# Altium PCB AtomlzerPcb.PcbDoc
Units mil, origin at the board's own origin, x right, y up, seen from the top; angles counter-clockwise.
Board outline 5085 x 2485 mil, 4 copper layers (Top Layer, GND, VCC, Bottom Layer), stack 30.634 mil thick; 101 components, 74 nets, 359 pads, 176 vias.
Unrouted connection lines stored in the file: 113.
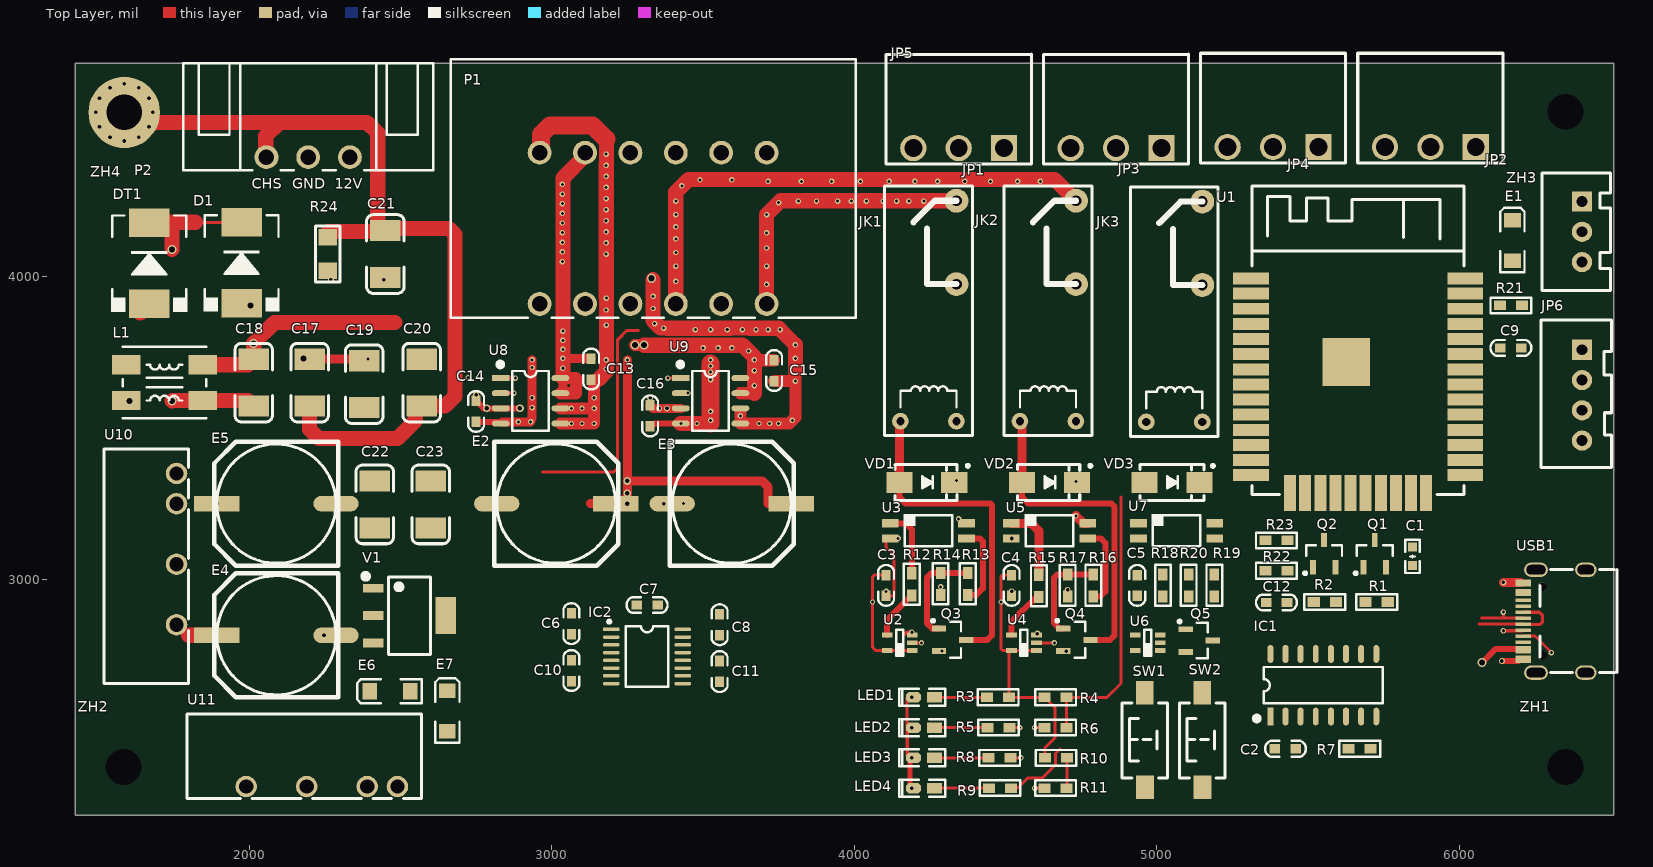
[diagram p0: Top Layer view]
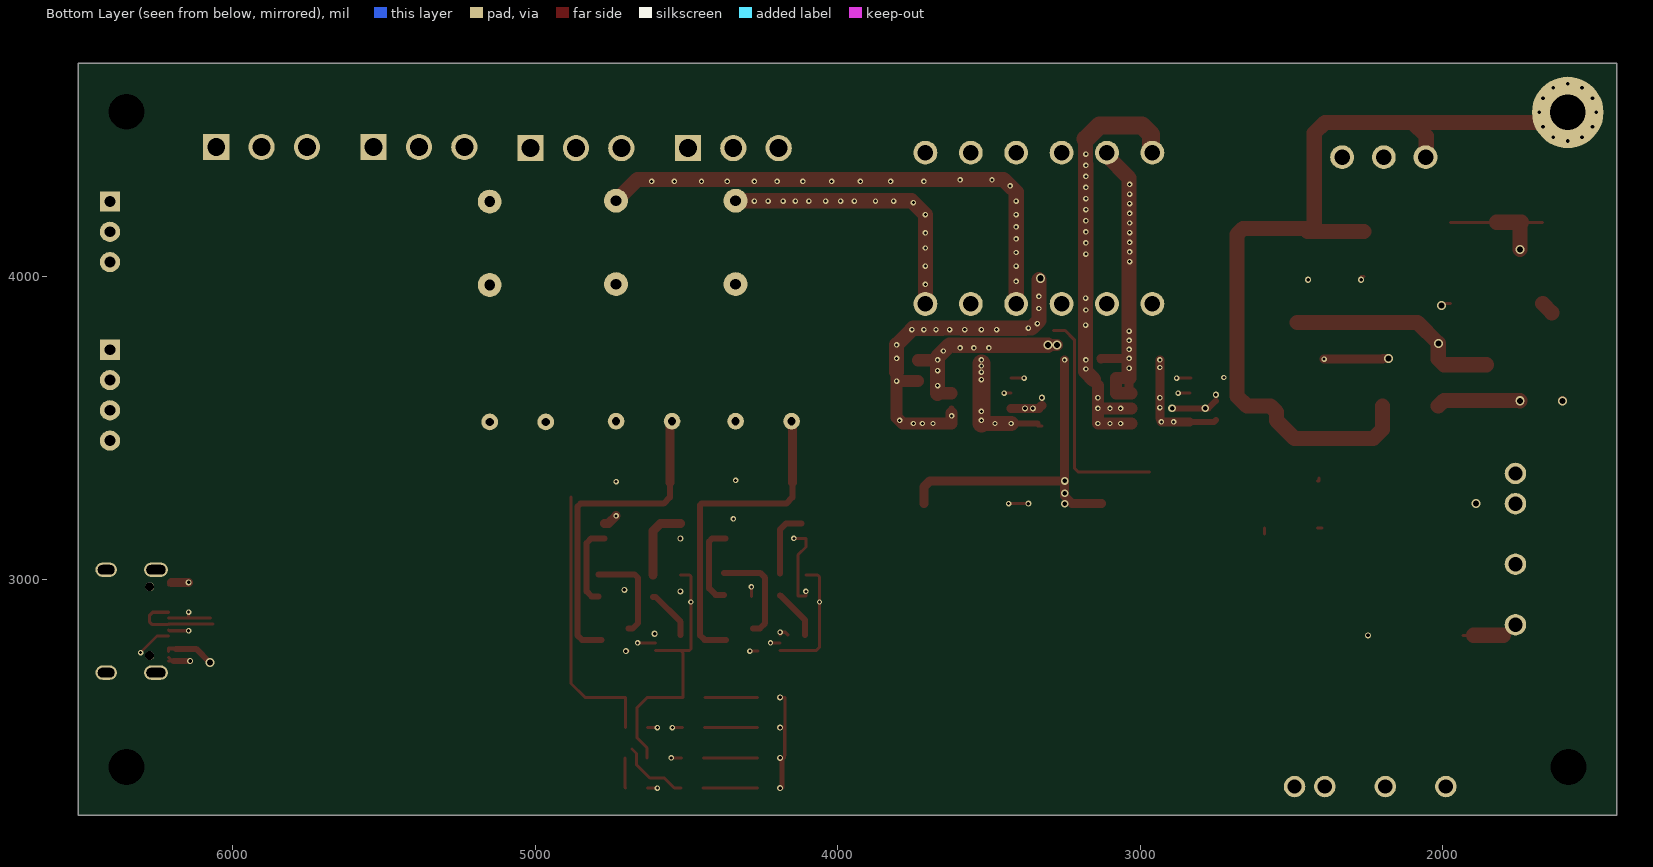
[diagram p1: Bottom Layer view, seen from below]
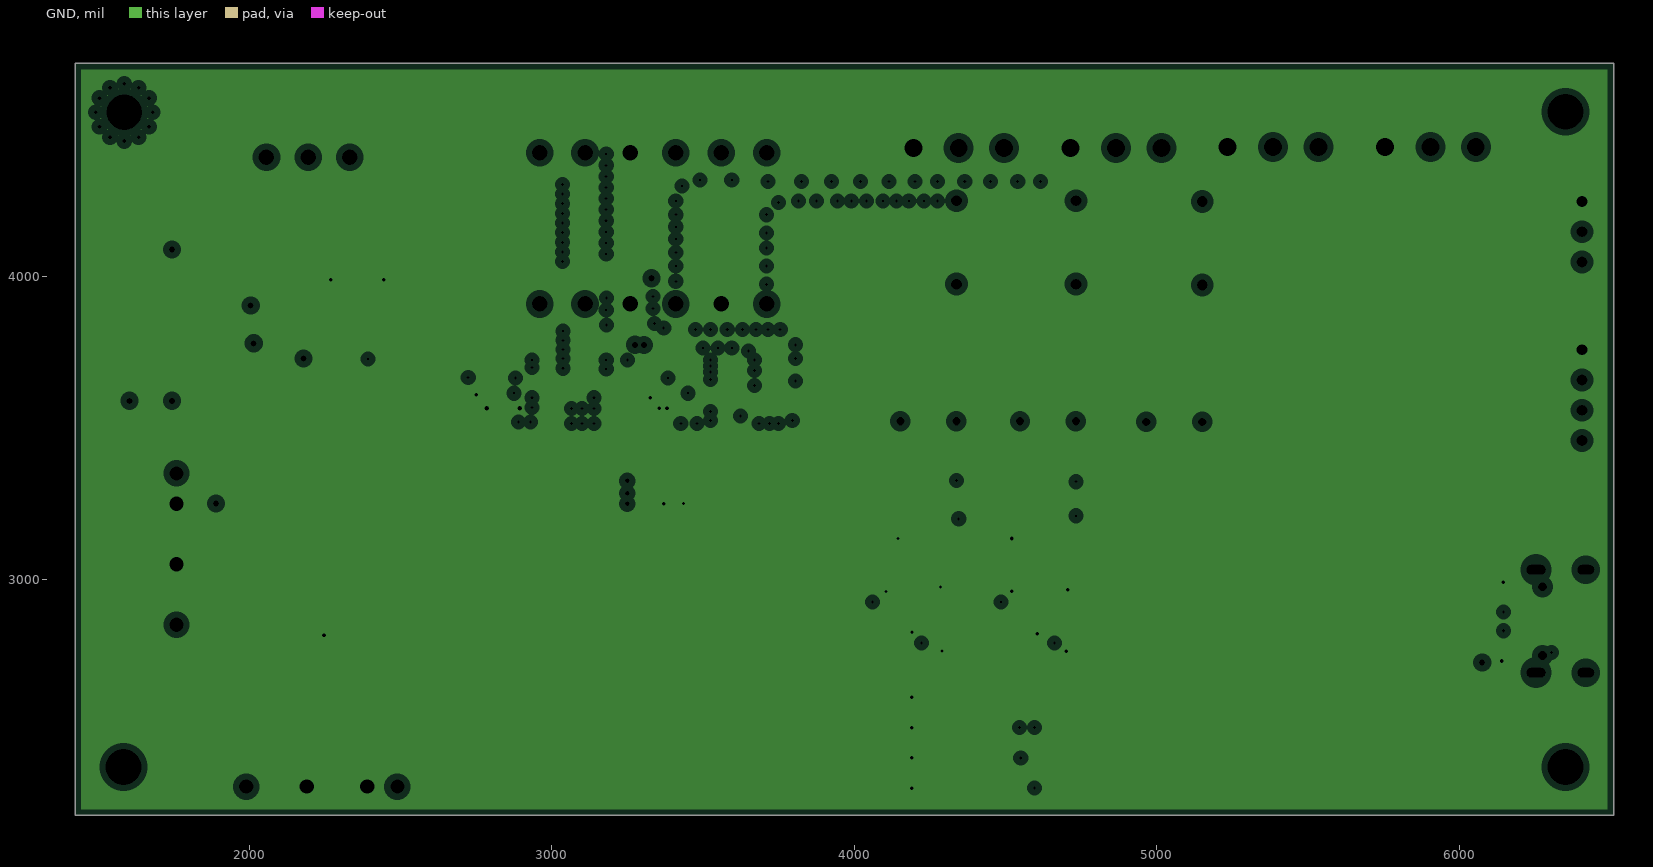
[diagram p2: GND, clearances drawn from the general rule]
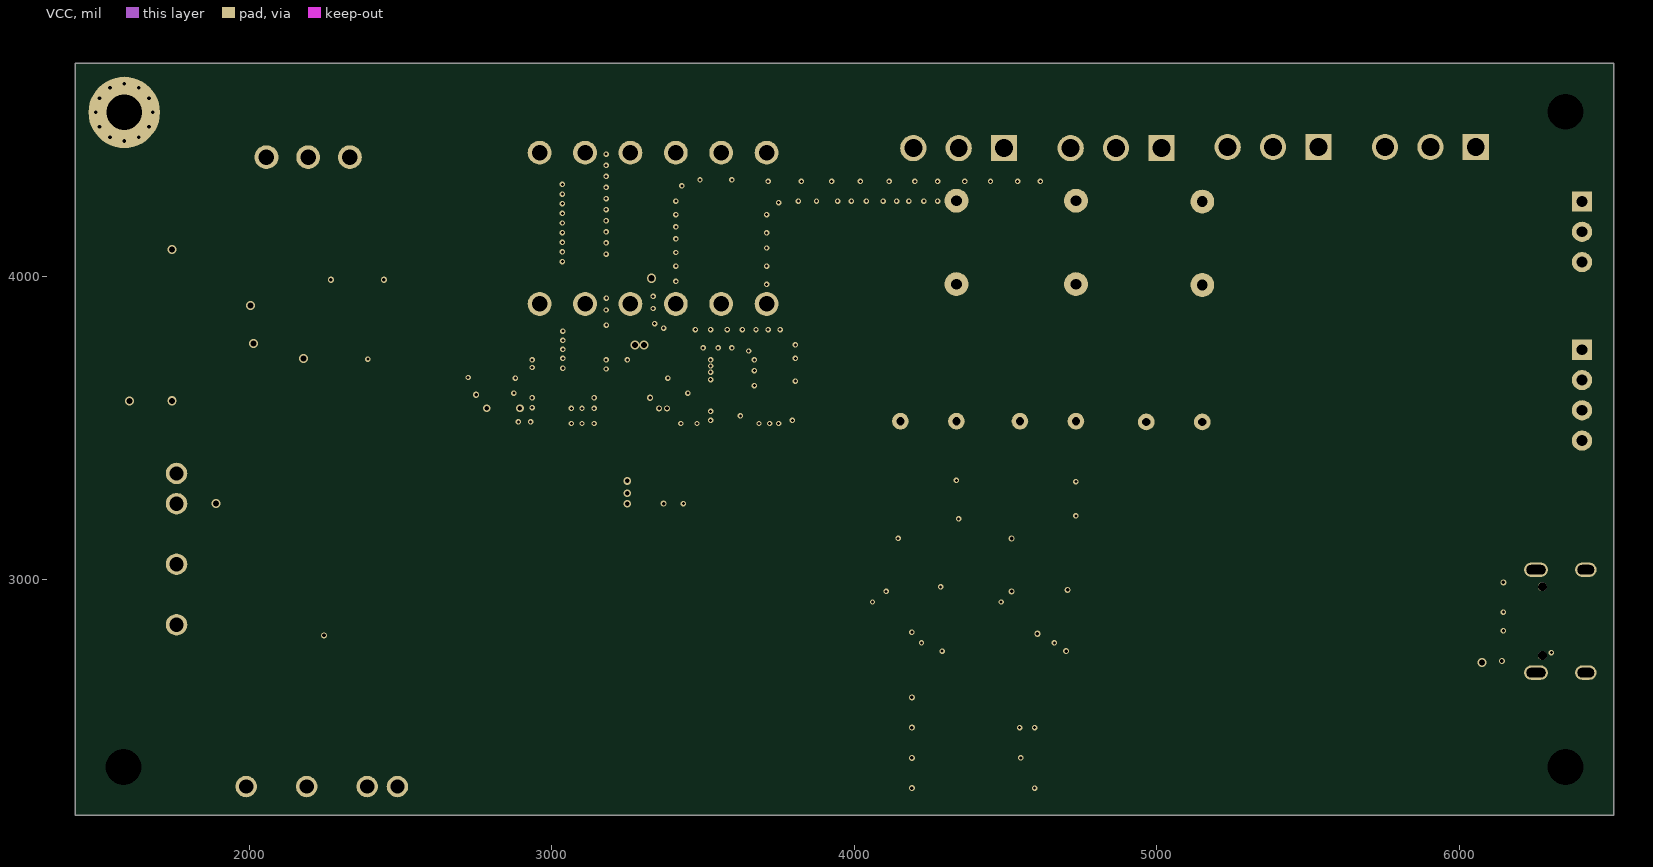
[diagram p3: VCC]

## Layer stack, top to bottom
Top Solder: solder mask 0.4, Solder Resist, Dk 3.5
Top Layer: signal copper 1.4
Dielectric 1: core 10, FR-4, Dk 4.2
GND: plane copper 1.417, net PD.GND
Dielectric 3: prepreg 5, Dk 4.2
VCC: signal copper 1.417
Dielectric 2: core 10, Dk 4.2
Bottom Layer: signal copper 1.4
Bottom Solder: solder mask 0.4, Solder Resist, Dk 3.5

## Board outline
1425,2220 1425,4705 6510,4705 6510,2220

## Design rules (kind name [scope] priority, off if disabled: settings)
Clearance [All] p1: gap=6
DiffPairsRouting DiffPair_DiffPairsRouting [InDifferentialPair ('D')] p1: maxlimit=10 minlimit=10 mostfreqgap=10 toplayer_minwidth=10 toplayer_maxwidth=10 toplayer_prefwidth=10 midlayer1_minwidth=10 midlayer1_maxwidth=10 midlayer1_prefwidth=10 bottomlayer_minwidth=10 bottomlayer_maxwidth=10 bottomlayer_prefwidth=10 maxuncoupledlength=500
DiffPairsRouting DiffPair_DiffPairsRouting_1 [InDifferentialPair ('D')] p2: maxlimit=10 minlimit=10 mostfreqgap=10 toplayer_minwidth=15 toplayer_maxwidth=15 toplayer_prefwidth=15 midlayer1_minwidth=15 midlayer1_maxwidth=15 midlayer1_prefwidth=15 bottomlayer_minwidth=15 bottomlayer_maxwidth=15 bottomlayer_prefwidth=15 maxuncoupledlength=500
DiffPairsRouting [All] p3: maxlimit=10 minlimit=10 mostfreqgap=10 toplayer_minwidth=15 toplayer_maxwidth=15 toplayer_prefwidth=15 midlayer1_minwidth=15 midlayer1_maxwidth=15 midlayer1_prefwidth=15 bottomlayer_minwidth=15 bottomlayer_maxwidth=15 bottomlayer_prefwidth=15 maxuncoupledlength=500
MatchedLengths DiffPair_MatchedLengths [InDifferentialPair ('D')] p1: tolerance=1000 checknetsindiffpair=FALSE checkdiffpairvsdiffpair=TRUE checkxsignals=TRUE checkothers=TRUE
MatchedLengths DiffPair_MatchedLengths_1 [InDifferentialPair ('D')] p2: tolerance=1000 checknetsindiffpair=FALSE checkdiffpairvsdiffpair=TRUE checkxsignals=TRUE checkothers=TRUE
PlaneClearance [All] p1: clearance=20
PlaneConnect [All] p1: planeconnectstyle=Relief reliefexpansion=20 reliefentries=4 reliefconductorwidth=10 reliefairgap=10
PolygonConnect [All] p1: connectstyle=Relief reliefconductorwidth=10 reliefentries=4 polygonreliefangle="90 Angle" airgapwidth=10
RoutingVias [All] p1: holewidth=10 width=18 viastyle="Through Hole" minholewidth=10 minwidth=18 maxholewidth=28 maxwidth=50
SolderMaskExpansion [All] p1: expansion=4
Width [All] p1: maxlimit=100 minlimit=8 preferedwidth=10
27 further rules are at their usual default settings.

## Classes and differential pairs
component class Power: C17 C18 C19 C20 C21 C22 C23 D1 DT1 E4 E5 E6 E7 L1 P2 R24 U10 U11 V1
component class Motor: C13 C14 C15 C16 E2 E3 U8 U9
component class Interface: C6 C7 C8 C9 C10 C11 C12 IC2 JP1 JP2 JP3 JP4 JP5 JP6 P1 R21 R22 R23
component class Do: C3 C4 C5 JK1 JK2 JK3 Q3 Q4 Q5 R12 R13 R14 R15 R16 R17 R18 R19 R20 U2 U3 U4 U5 U6 U7 VD1 VD2 VD3
component class Core: C1 C2 E1 IC1 LED1 LED2 LED3 LED4 Q1 Q2 R1 R2 R3 R4 R5 R6 R7 R8 R9 R10 R11 SW1 SW2 U1 USB1 ZA1 ZH1 ZH2 ZH3 ZH4

## Components (designator, comment, footprint, x,y, rotation, side; value= is the part's Value field where it differs from the comment)
C1 "104" "C 0603_L" 5845,3075.59 r90 top
C2 "104" "C 0603" 5425,2440 r0 top
C3 "104" "C 0603" 4105,2980 r90 top
C4 "104" "C 0603" 4520,2980 r90 top
C5 "104" "C 0603" 4935,2980 r90 top
C6 "104" "C 0603" 3065,2853.5 r90 top
C7 "104" "C 0603" 3315,2915 r180 top
C8 "104" "C 0603" 3555,2850 r90 top
C9 "104" "C 0603" 6170,3765 r0 top
C10 "104" "C 0603" 3065,2698.5 r90 top
C11 "104" "C 0603" 3555,2695 r270 top
C12 "104" "C 0603" 5395,2923.5 r180 top
C13 "104" "C 0603" 3130,3695 r90 top
C14 "104" "C 0603" 2750,3555 r270 top
C15 "104" "C 0603" 3735,3690 r90 top
C16 "104" "C 0603" 3325,3540 r270 top
C17 "104" "C 1210" 2200,3650 r270 top
C18 "104" "C 1210" 2015,3650 r270 top
C19 "104" "C 1210" 2380,3645 r90 top
C20 "104" "C 1210" 2570,3650 r90 top
C21 "104" "C 1210" 2450,4075 r90 top
C22 "104" "C 1210" 2415,3247.5 r90 top
C23 "104" "C 1210" 2600,3247.5 r90 top
D1 "MBRS340" D-SMC 1975,4046.14 r270 top
DT1 "SMCJ26A" D-SMC 1670,4045 r270 top
E1 "10uF/6.3V" "CD A(3216)" 6175,4120 r270 top
E2 "100uF/50V" "CM F(10*10.2)" 3015,3250 r0 top
E3 "100uF/50V" "CM F(10*10.2)" 3595,3250 r0 top
E4 "100uF/50V" "CM F(10*10.2)" 2090,2815 r180 top
E5 "100uF/50V" "CM F(10*10.2)" 2090,3250 r180 top
E6 "10uF/6.3V" "CD A(3216)" 2465,2630 r0 top
E7 "10uF/6.3V" "CD A(3216)" 2655,2565 r270 top
IC1 "CH340C" SOP16_L 5550,2650 r90 top
IC2 "SP3232" TSSOP16_N 3315,2745 r0 top
JK1 "HF46F/12-HS1" HF46F/12-HS1 4235,3875 r0 top
JK2 "HF46F/12-HS1" HF46F/12-HS1 4630,3875 r0 top
JK3 "HF46F/12-HS1" HF46F/12-HS1 5047.48,3872.2 r0 top
JP1 "HDR-1X3" WJ15EDGRC-3.81-3P 4866.18,4531.42 r180 top
JP2 "HDR-1X3" XH2.54-3P 6405,4248.5 r270 top
JP3 "HDR-1X3" WJ15EDGRC-3.81-3P 5385,4535 r180 top
JP4 "HDR-1X3" WJ15EDGRC-3.81-3P 5905,4535 r180 top
JP5 "HDR-1X3" WJ15EDGRC-3.81-3P 4346.18,4531.42 r180 top
JP6 "HDR-1X4" XH2.54-4P 6405,3758.5 r270 top
L1 "ACM7060-701" TDK_Choke_ACM7060 1720,3650 r180 top
LED1 "红色" "LED 0603R" 4230,2610 r180 top
LED2 "红色" "LED 0603R" 4230,2510 r180 top
LED3 "红色" "LED 0603R" 4230,2410 r180 top
LED4 "红色" "LED 0603R" 4230,2310 r180 top
P1 "UART_DIDO" KF2EDGRHM-3.81-2x6P 3335,4160 r180 top
P2 "24V_IN" C00170 2195,4395 r0 top
Q1 "SS8050" SOT23-3N 5720,3085 r0 top
Q2 "SS8050" SOT23-3N 5552.6,3085 r0 top
Q3 "SS8050" SOT23-3N 4325,2800 r270 top
Q4 "SS8050" SOT23-3N 4735.63,2800 r270 top
Q5 "SS8050" SOT23-3N 5140,2797.6 r270 top
R1 "12K" "R 0603" 5726.5,2925 r180 top
R2 "12K" "R 0603" 5555,2925 r0 top
R3 "3.3K" "R 0603" 4475,2610 r0 top
R4 "12K" "R 0603" 4665,2610 r0 top
R5 "3.3K" "R 0603" 4476.5,2510 r0 top
R6 "470" "R 0603" 4665,2510 r0 top
R7 "51K" "R 0603" 5670,2440 r180 top
R8 "3.3K" "R 0603" 4480,2410 r0 top
R9 "3.3K" "R 0603" 4481.5,2310 r0 top
R10 "12K" "R 0603" 4666.5,2410 r0 top
R11 "470" "R 0603" 4665,2310 r0 top
R12 "570" "R 0603" 4190,2983.5 r90 top
R13 "1K" "R 0603" 4375,2985 r90 top
R14 "10K" "R 0603" 4285,2985 r90 top
R15 "570" "R 0603" 4610,2978.5 r90 top
R16 "1K" "R 0603" 4790,2980 r90 top
R17 "10K" "R 0603" 4705,2980 r90 top
R18 "570" "R 0603" 5020,2980 r90 top
R19 "1K" "R 0603" 5190,2980 r90 top
R20 "10K" "R 0603" 5105,2980 r90 top
R21 "4.7K" "R 0603" 6170,3905 r0 top
R22 "4.7K" "R 0603" 5395,3028.5 r180 top
R23 "4.7K" "R 0603" 5395,3128.5 r0 top
R24 "1M" "R 1206_L" 2260,4075 r90 top
SW1 "3x6x5" "TSW SMD-3*6*2.5" 4960,2470 r90 top
SW2 "3x6x5" "TSW SMD-3*6*2.5" 5150,2470 r90 top
U1 "ESP32-S" ESP32-S 5686.61,3685.94 r0 top
U2 "74LVC1G126" TSSOP-5P-0.65BSC-2.15x1.40Bmax-1.10Hmax 4150,2790 r0 top
U3 "TLP290" SO-4-1.27BSC-4.6W-TLP 4245,3160 r0 top
U4 "74LVC1G126" TSSOP-5P-0.65BSC-2.15x1.40Bmax-1.10Hmax 4560.63,2790 r0 top
U5 "TLP290" SO-4-1.27BSC-4.6W-TLP 4645,3160 r0 top
U6 "74LVC1G126" TSSOP-5P-0.65BSC-2.15x1.40Bmax-1.10Hmax 4970,2790 r0 top
U7 "TLP290" SO-4-1.27BSC-4.6W-TLP 5065,3160 r0 top
U8 "RZ7889" SOP8_L 2930,3590 r0 top
U9 "RZ7889" SOP8_L 3525,3590 r0 top
U10 "B1205S-2W" B1205S-2W 1645,3045 r270 top
U11 "B1205S-2W" B1205S-2W 2185,2430 r180 top
USB1 "USB-C" TYPE-C-31-M-12 6345,2860 r90 top
V1 "AMS1117-3V3" SOT223_L 2530,2880 r270 top
VD1 "1N4007" SMA 4240,3320 r0 top
VD2 "1N4007" SMA 4645,3320 r0 top
VD3 "1N4007" SMA 5050,3320 r0 top
ZH1 "M3" ZH_Mount_NPH_M3.0 6350,2380 r0 top
ZH2 "M3" ZH_Mount_NPH_M3.0 1585,2380 r0 top
ZH3 "M3" ZH_Mount_NPH_M3.0 6350,4545 r0 top
ZH4 "M3" ZH_Mount_PH_M3.0 1587.24,4543.17 r0 top

## Footprints (in the part's own frame and the unit in brackets; to place one, negate y for a bottom-side part, rotate by r counter-clockwise, add the part's x,y. Pads: shape width x height; smd on the part's side, far side on the other; paste and mask are expansions set on the pad)
B1205S-2W [mm]
  round 1.8 hole 1.2: 1(-7.747,2.921) 2(-5.207,2.921) 4(-0.127,2.921) 6(4.953,2.921)
  silkscreen extent -9.78,-3.18 9.91,3.94
C00170 [mm]
  round 2 hole 1.3 mask+0.1: 1(-3.5,0) 2(0,0) 3(3.5,0)
  silkscreen extent -10.5,-1.1 10.5,7.9, body extent -10.55,-1.2 10.55,8, height 7.4
"C 0603" [mil] "无极性贴片电容"
  rect 35x30 smd: 1(-35,0) 2(34,0)
  silkscreen extent -67,-26 67,26, body extent -31,-16 31,16, height 32
"C 0603_L" [mil] "无极性贴片电容"
  rect 30x30 smd: 1(-30.59,0) 2(30.59,0)
  silkscreen extent -55,-24 55,24, body extent -31,-16 31,16, height 32
"C 1210" [mil] "无极性贴片电容"
  rect 70x100 smd: 1(-77.5,0) 2(77.5,0)
  silkscreen extent -130,-62 130,62, body extent -63,-51 63,51, height 60
"CD A(3216)" [mm] "长3.2mm，宽1.6mm，厚1.6mm"
  rect 1.2x1.4 smd: 1(-1.7,0) 2(1.7,0)
  silkscreen extent -2.74,-1.02 2.67,1.02, body extent -1.6,-0.8 1.6,0.8, height 1.6
"CM F(10*10.2)" [mm] "贴片电解电容，直径10mm，高10.2mm"
  rect 3.8x1.3 smd: 1(5,0)
  oval 3.8x1.3 smd: 2(-5,0)
  silkscreen extent -5.2,-5.2 5.2,5.2, body extent -5.8,-5.15 5.8,5.15, height 10.2
D-SMC [mm]
  rect 2.4x3.4 smd mask+0.05: 1(3.4,0) 2(-3.4,0)
  silkscreen extent -4,-3.2 4.1,3.2, body extent -4,-2.95 4,2.95, height 2.66
ESP32-S [mm]
  rect 3x1 smd: 1(-9.549,7.826) 2(-9.549,6.556) 3(-9.549,5.286) 4(-9.549,4.016) 5(-9.549,2.746) 6(-9.549,1.476) 7(-9.549,0.206) 8(-9.549,-1.064) 9(-9.549,-2.334) 10(-9.549,-3.604) 11(-9.549,-4.874) 12(-9.549,-6.144) 13(-9.549,-7.414) 14(-9.549,-8.684) 25(8.451,-8.684) 26(8.451,-7.414) 27(8.451,-6.144) 28(8.451,-4.874) 29(8.451,-3.604) 30(8.451,-2.334) 31(8.451,-1.064) 32(8.451,0.206) 33(8.451,1.476) 34(8.451,2.746) 35(8.451,4.016) 36(8.451,5.286) 37(8.451,6.556) 38(8.451,7.826)
  rect 1x3 smd: 15(-6.264,-10.184) 16(-4.994,-10.184) 17(-3.724,-10.184) 18(-2.454,-10.184) 19(-1.184,-10.184) 20(0.086,-10.184) 21(1.356,-10.184) 22(2.626,-10.184) 23(3.896,-10.184) 24(5.166,-10.184)
  rect 4x4 smd: 39(-1.549,0.816)
  silkscreen extent -9.44,-10.31 8.34,15.6
HF46F/12-HS1 [mm]
  round 1.4 hole 0.7: 1(-2.096,-8.946) 2(2.604,-8.946)
  round 2 hole 0.9: 3(2.604,2.554) 4(2.604,9.554)
  silkscreen extent -3.43,-10.16 3.94,10.79, body extent -3.25,-10 3.75,10.5, height 15.3
KF2EDGRHM-3.81-2x6P [mm]
  round 2 hole 1.3 mask+0.05: 1(-9.525,-6.35) 2(-9.525,6.35) 3(-5.715,-6.35) 4(-5.715,6.35) 5(-1.905,-6.35) 6(-1.905,6.35) 7(1.905,-6.35) 8(1.905,6.35) 9(5.715,-6.35) 10(5.715,6.35) 11(9.525,-6.35) 12(9.525,6.35)
  silkscreen extent -17,-14.2 17,7.5, body extent -17,-14.3 17,7.5, height 22.8
"LED 0603R" [mil] "红色0603LED"
  rect 50x35 smd: 1(-35,0.26)
  oct 50x35 smd: 2(35,0.26)
  silkscreen extent -71,-28 81,28, body extent -31,-16 32,16, height 24
"R 0603" [mil] "1/10W贴片电阻"
  rect 40x31.5 smd: 1(-36.5,0) 2(36.5,0)
  silkscreen extent -68,-26 68,26, body extent -31,-16 32,16, height 16
"R 1206_L" [mil] "1/4W贴片电阻"
  rect 55x62 smd: 1(-55.12,0) 2(55.11,0)
  silkscreen extent -92,-41 92,41, body extent -63,-31 63,32, height 22
SMA [mm] "4.5x2.6*2.2mm（长宽高，不包括引脚）"
  rect 2.2x1.75 smd: 1(-2.3,0) 2(2.3,0)
  silkscreen extent -2.7,-1.52 3.56,1.52, body extent -2.53,-1.3 2.58,1.3, height 2.15
SO-4-1.27BSC-4.6W-TLP [mm]
  rect 1.4x0.7 smd mask+0.05: 1(-3.2,0.635) 2(-3.2,-0.635) 3(3.2,-0.635) 4(3.2,0.635)
  silkscreen extent -2.1,-1.3 2,1.4, body extent -3.5,-1.3 3.5,1.3, height 2.21
SOP8_L [mm] "5*6*1.8mm（长宽高）"
  rect 1.5x0.5 smd: 1(-2.5,1.905)
  oval 1.5x0.5 smd: 2(-2.5,0.635) 3(-2.5,-0.635) 4(-2.5,-1.905) 5(2.5,-1.905) 6(2.5,-0.635) 7(2.5,0.635) 8(2.5,1.905)
  silkscreen extent -2.69,-2.5 1.52,3.2, body extent -3,-2.5 3,2.5, height 1.9
SOP16_L [mm] "10.3*6.2*1.8mm（长宽高）"
  rect 1.5x0.5 smd: 1(-2.625,4.445)
  oval 1.5x0.5 smd: 2(-2.625,3.175) 3(-2.625,1.905) 4(-2.625,0.635) 5(-2.625,-0.635) 6(-2.625,-1.905) 7(-2.625,-3.175) 8(-2.625,-4.445) 9(2.625,-4.445) 10(2.625,-3.175) 11(2.625,-1.905) 12(2.625,-0.635) 13(2.625,0.635) 14(2.625,1.905) 15(2.625,3.175) 16(2.625,4.445)
  silkscreen extent -2.95,-5 1.52,5.74, body extent -3,-5 3,5, height 1.9
SOT23-3N [mm] "3x1.3x1mm(长宽高)"
  rect 0.5x1.2 smd: 1(-0.95,-1.143) 2(0.95,-1.143) 3(0,1.143)
  silkscreen extent -1.72,-1.78 1.5,0.7, body extent -1.5,-1.2 1.5,1.2, height 1.05
SOT223_L [mm] "6.4x7x1.6mm(长宽高)"
  rect 0.75x1.7 smd: 1(-2.3,-3.048) 2(0,-3.048) 3(2.3,-3.048)
  rect 3.1x1.7 smd: 2(0,3.048)
  silkscreen extent -3.5,-3.88 3.25,1.75, body extent -3.25,-3.51 3.25,3.51, height 1.65
TDK_Choke_ACM7060 [mm]
  rect 2.4x1.6 smd mask+0.05: A1(-3.2,1.5) A2(3.2,1.5) B1(-3.2,-1.5) B2(3.2,-1.5)
  silkscreen extent -3.5,-3 3.5,3, body extent -3.5,-3 3.5,3, height 3.5
TSSOP16_N [mm] "5*6.4*1mm（长宽高）"
  rect 1.4x0.3 smd: 1(-3.004,2.275)
  oval 1.4x0.3 smd: 2(-3.004,1.625) 3(-3.004,0.975) 4(-3.004,0.325) 5(-3.004,-0.325) 6(-3.004,-0.975) 7(-3.004,-1.625) 8(-3.004,-2.275) 9(2.996,-2.275) 10(2.996,-1.625) 11(2.996,-0.975) 12(2.996,-0.325) 13(2.996,0.325) 14(2.996,0.975) 15(2.996,1.625) 16(2.996,2.275)
  silkscreen extent -3.3,-2.54 1.78,3.05, body extent -3.2,-2.5 3.2,2.5, height 1.03
TSSOP-5P-0.65BSC-2.15x1.40Bmax-1.10Hmax [mm]
  rect 0.9x0.4 smd mask+0.05: 1(1.05,-0.65) 2(1.05,0) 3(1.05,0.65) 4(-1.05,0.65) 5(-1.05,-0.65)
  silkscreen extent -0.3,-1.1 0.3,1.1, body extent -1.35,-1.07 1.35,1.08, height 1.1
"TSW SMD-3*6*2.5" [mm] "3*6*2.5mm"
  rect 2x1.5 smd: 1(-3.996,-0.02) 2(3.937,0)
  silkscreen extent -3.21,-1.9 3.09,1.9, body extent -4,-1.88 4,1.62, height 2.59
TYPE-C-31-M-12 [mm]
  oval 1.2x1.8 hole 0.8 slot 1.4 at 90 deg: 0(-4.28,-1.842) 0(4.36,-1.842)
  oval 1.2x2 hole 0.8 slot 1.6 at 90 deg: 0(-4.28,2.338) 0(4.36,2.338)
  rect 0.3x1.3 smd: A1(-3.31,3.405) A4(-2.51,3.405) A5(-1.21,3.405) A6(-0.21,3.405) A7(0.29,3.405) A8(1.29,3.406) A9(2.59,3.405) A12(3.39,3.405) B1(3.09,3.405) B4(2.29,3.405) B5(1.79,3.405) B6(0.79,3.405) B7(-0.71,3.405) B8(-1.71,3.406) B9(-2.21,3.405) B12(-3.01,3.405)
  round 0.75 hole 0.75 unplated: ""(-2.85,1.808) ""(2.93,1.808)
  silkscreen extent -4.28,-4.44 4.36,2.01
WJ15EDGRC-3.81-3P [mm] "拔插端子-3p"
  rect 2.2x2.2 hole 1.5: 1(-3.78,2.703)
  round 2.2 hole 1.5: 2(0.03,2.703) 3(3.84,2.703)
  silkscreen extent -6.07,-5.18 6.13,4.05
XH2.54-3P [mm] "接插件，3P"
  rect 1.7x1.7 hole 0.9: 1(0,0)
  round 1.7 hole 0.9: 2(2.54,0) 3(5.08,0)
  silkscreen extent -2.41,-3.38 7.47,2.39, body extent -2.5,-3.3 7.58,2.4, height 7.03
XH2.54-4P [mm] "接插件，4P"
  rect 1.7x1.7 hole 0.9: 1(0,0)
  round 1.7 hole 0.9: 2(2.54,0) 3(5.08,0) 4(7.62,0)
  silkscreen extent -2.49,-3.45 9.88,2.49, body extent -2.5,-3.3 10.12,2.4, height 7.03
ZH_Mount_NPH_M3.0 [mm]
  round 2.8 hole 3 unplated mask+0.05: ""(0,0)
  body extent -2.9,-2.9 2.9,2.9, height 3
ZH_Mount_PH_M3.0 [mm]
  round 0.6 hole 0.3 mask+0.05: H(-2.4,0) H(-2.078,-1.2) H(-2.078,1.2) H(-1.2,-2.078) H(-1.2,2.078) H(0,-2.4) H(0,2.4) H(1.2,-2.078) H(1.2,2.078) H(2.078,-1.2) H(2.078,1.2) H(2.4,0)
  round 6 hole 3 mask+0.05: H(0,0)
  body extent -2.9,-2.9 2.9,2.9, height 3

## Part data
C1 C2 C3 C4 C5 C6 C7 C8 C9 C10 C11 C12 C13 C14 C15 C16 C17 C18 C19 C20 C21 C22 C23: library part C, "无极性贴片电容"
D1: library part Diode, "D-SMC-MBRS340"
DT1: library part Diode_TVS_UniDirectional, "DT-SMC-SMCJ26A"
E1 E6 E7: library part C-CD, "贴片钽电容"
E2 E3 E4 E5: library part C-CM, "贴片电解电容"
IC1: library part CH340G, "串口转USB"
IC2: "RS232ͨѶоƬ"
JK1 JK2 JK3: "12V一组常开"
JP1 JP2 JP3 JP4 JP5: library part "Header 3", "3P接插件"
JP6: library part "Header 4", "4P接插件"
L1: library part IND_CHOKE, "L-ACM7060-701"
LED1 LED2 LED3 LED4: library part LED-SMD, "贴片LED"
P1: library part PIN_2xCol_6xPin, "P-EDG-2x6"
P2: library part C00170_绿座_弯_针_单排_3.50_3P_紧固, "P-插装绿座_弯_针_单排_3.5_3P_紧固"
Q1 Q2 Q3 Q4 Q5: library part 8050-SMD, "高频放大-NPN型"
R1 R2 R3 R4 R5 R6 R7 R8 R9 R10 R11 R12 R13 R14 R15 R16 R17 R18 R19 R20 R21 R22 R23 R24: library part R, "贴片电阻"
SW1 SW2: library part "TSW 3x6", "3x6轻触开关"
U2 U4 U6: "U-LVC1G126"
U3 U5 U7: "U-TLP290"
USB1: library part USB-C/S, "USB-C型母接口"
V1: library part AMS1117, "三端稳压芯片"
VD1 VD2 VD3: "整流二极管"
ZH1 ZH2 ZH3: library part Misc_Mount, "ZH"
ZH4: library part Misc_Mount_Plated, "ZH"

## Via types
v1: diameter 18, hole 10, Top Layer to Bottom Layer, 141 vias
v2: diameter 20, hole 12, Top Layer to Bottom Layer, 19 vias
v3: diameter 30, hole 20, Top Layer to Bottom Layer, 11 vias
v4: diameter 25, hole 15, Top Layer to Bottom Layer, 5 vias

## Nets (pads, with @x,y where several pads share a name; then routed paths per layer and width w, separated by ;. In a path a pad name is that pad's centre, name@x,y a point inside that pad or via, vN(x,y) a via of type N, cw(c..) or ccw(c..) an arc to the next point about the centre after c; other vN are vias at no path point)
#EN: C1.2 Q1.3 R4.2 R6.2 U1.3 | length 914.6
  Top Layer w10: R6.2 R4.2 4835,2610 4881,2656 4881,3272
ADC: R22.1 R23.2 U1.7
BO0: C13.2 P1.9 U8.7 U8.8 | length 1038.6
  Top Layer w30: 3036.85,3630 U8.8@3036.85,3665 ; v1(3036.85,3730) 3129,3730 C13.2
  Top Layer w40: U8.7 3080,3615 3080,3665 U8.8@3036.85,3665
  Top Layer w50: U8.8@3036.85,3665 v1(3036.85,3697.5) v1(3036.85,3730) v1(3036.85,3760) v1(3036.85,3790) v1(3036.85,3820) 3036.85,4113.75 3036.85,4209.38 3036.85,4273.13 3036.85,4326.85 P1.9@3110,4400
  other v1: 3035,4050 3035,4081.88 3035,4113.75 3035,4145.63 3035,4177.5 3035,4209.38 3035,4241.25 3035,4273.13 3035,4305
BO1: C15.2 P1.10 U9.7 U9.8 | length 643.9
  Top Layer w20: v1(3670,3725) 3690,3725
  Top Layer w40: v3(3275,3775) 3276,3774 v3(3305,3774) ; U9.7 3670,3615 ; v1(3670,3725) 3670,3735 ; 3690,3725 3691,3724 C15.2
  Top Layer w50: v3(3305,3774) 3305.37,3773.63 3612.34,3773.63 3612.71,3774 3631,3774 v1(3650.5,3754.5) 3670,3735 ; 3670,3615 v1(3670,3640) v1(3670,3690) v1(3670,3725)
  other v1: 3500,3765 3550,3765 3595,3765
CFG.LED0: R5.2 U1.24 | length 33
  Top Layer w10: R5.2 v1(4546,2510)
CFG.LED1: R8.2 U1.11 | length 33.5
  Top Layer w10: R8.2 v1(4550,2410)
CFG.LED2: R9.2 U1.12 | length 237.1
  Top Layer w10: R9.2 4540,2310 4573,2343 4621,2343 4665,2387 4665,2424 4680,2439
D_N: IC1.6 USB1.A7 USB1.B7 | length 224.1
  Top Layer w10: 6073.59,2871.41 6145,2871.41 ; v1(6145,2830) 6208.9,2830 USB1.B7 ; v1(6145,2891.41) 6145,2871.41 ; USB1.A7 6145,2871.41
D_P: IC1.5 USB1.A6 USB1.B6 | length 303.5
  Top Layer w10: 6064.98,2851.73 USB1.A6 6212.68,2850 6265,2850 6275,2860 6275,2880 6263.9,2891.1 USB1.B6
DO0.IN: U1.26 U2.2 | length 30.7
  Top Layer w10: U2.2 v1(4222,2790)
DO0.OUT: JK1.4 P1.2 | length 951.6
  Top Layer w50: P1.2@3710,3900 P1.2 v1(3710,3975) v1(3710,4035) v1(3710,4095) v1(3710,4145) v1(3710,4205) v1(3750,4245) 3756.14,4251.14 3875,4251.14 4040,4251.14 JK1.4
  other v1: 3815,4250 3875,4250 3945,4250 3990,4250 4040,4250 4095,4250 4140,4250 4180,4250 4230,4250 4275,4250
DO1.IN: U1.14 U4.2 | length 59
  Top Layer w10: U4.2 v1(4661,2790)
DO1.OUT: JK2.4 P1.6 | length 1748.9
  Top Layer w50: P1.6@3410,3900 P1.6 v1(3410,3985) v1(3410,4035) v1(3410,4080) v1(3410,4125) v1(3410,4165) v1(3410,4205) v1(3410,4250) 3410,4280 v1(3430,4300) 3451.51,4321.51 3715,4321.51 3925,4321.51 4200,4321.51 4275,4321.51 4662.15,4321.51 JK2.4
  other v1: 3715,4315 3825,4315 3925,4315 4020,4315 4115,4315 4200,4315 4275,4315 4365,4315 4450,4315 4540,4315 4615,4315 3490,4320 3595,4320
DO2.IN: U1.16 U6.2
DO2.OUT: JK3.4 P1.5
DRV0: R12.1 U2.4 | length 165.1
  Top Layer w20: U2.4 4108.66,2865.66 R12.1
DRV1: R15.1 U4.4 | length 168.7
  Top Layer w20: U4.4 4519.29,2859.29 4602,2942 R15.1
DRV2: R18.1 U6.4
DTR: IC1.13 Q2.2 R1.2
FO0: C13.1 P1.11 U8.5 U8.6 | length 1472.7
  Top Layer w30: P1.11@2960,4400 P1.11@2965,4405
  Top Layer w40: U8.5 v1(3065,3515) v1(3100,3515) v1(3140,3515) v1(3140,3565) ; U8.6 v1(3065,3565) v1(3100,3565) v1(3140,3565) ; 3140,3640 v1(3140,3600) v1(3140,3565)
  Top Layer w50: 3154,3660 3180.37,3686.37 v1(3180.37,3840) v1(3180.37,3929.15) 3180,3929.52 v1(3180,4075) v1(3180,4111.67) v1(3180,4148.33) v1(3180,4185) v1(3180,4221.67) v1(3180,4258.33) v1(3180,4295) v1(3180,4331.67) v1(3180,4368.33) 3180,4370.48 3180.37,4370.85 3180.37,4454.63 3180,4455
  Top Layer w60: P1.11@2965,4405 2965,4470 2995,4500 3135,4500 3180,4455
  other v1: 3180,3695 3180,3725 3180,3890 3180,4405
FO1: C15.1 P1.12 U9.5 U9.6 | length 1202.8
  Top Layer w20: v3(3330,3995) v3@3335,3990 ; 3623.43,3550 U9.6 ; C15.1@3730,3650 C15.1
  Top Layer w40: 3623.43,3550 v1(3623.43,3540) U9.5 v1(3685,3515) v1(3720,3515) v1(3750,3515) 3785,3515 v1(3795,3525) 3805,3535 v1(3805,3655) ; C15.1 v1(3805,3655) ; 3805,3685 v1(3805,3655)
  Top Layer w50: v3@3335,3990 v1(3335,3935) v1(3335,3895) 3335,3855 3360,3830 v1(3370,3830) 3380.48,3830 3380.85,3829.63 3530.11,3829.63 3530.48,3830 3530.85,3829.63 3589.15,3829.63 3589.52,3830 3654.2,3830 3654.57,3829.63 3715,3829.63 3750.37,3829.63 v1(3755,3825) v1(3805,3775) v1(3805,3730) 3805,3685
  other v1: 3475,3825 3525,3825 3580,3825 3630,3825 3675,3825 3715,3825 3340,3845
IO0: Q2.3 R10.2 R11.2 U1.25 | length 100.6
  Top Layer w10: R11.2 4703,2311.5 R10.2
NetC6_1: C6.1 IC2.3
NetC6_2: C6.2 IC2.1
NetC8_2: C8.2 IC2.2
NetC10_1: C10.1 IC2.5
NetC10_2: C10.2 IC2.4
NetC11_2: C11.2 IC2.6
NetC12_2: C12.2 JP3.2 R23.1
NetC18_2: C18.2 D1.2 DT1.2 L1.A1 | length 757.7
  Top Layer w10: DT1.2 1741.14,4178.86 1821,4178.86 1822.14,4180 D1.2
  Top Layer w50: v3(1745,3590) 1745.94,3590.94 L1.A1 1996.56,3590.94 C18.2 ; v3(1745,4090) 1745,4175 1741.14,4178.86 1740,4180 1822.14,4180
NetJK1_1: JK1.1 Q3.3 VD1.1 | length 1090.8
  Top Layer w20: VD1.1 4149.45,3270.55 4170,3250 4450,3250 4455,3245 4455,2815 4440,2800 Q3.3
  Top Layer w30: VD1.1 4149.45,3519.76 JK1.1
NetJK2_1: JK2.1 Q4.3 VD2.1 | length 1083.9
  Top Layer w20: VD2.1 4554.45,3270.55 4575,3250 4850,3250 4860,3240 4860,2815 4845,2800 Q4.3
  Top Layer w30: JK2.1 4554.45,3515.83 VD2.1
NetJK3_1: JK3.1 Q5.3 VD3.1
NetLED1_1: LED1.1 R3.1 | length 173.6
  Top Layer w10: LED1.1 4351,2609.74 4351.26,2610 R3.1
NetLED2_1: LED2.1 R5.1 | length 175.1
  Top Layer w10: LED2.1 4352,2509.74 4352.26,2510 R5.1
NetLED3_1: LED3.1 R8.1 | length 178.6
  Top Layer w10: LED3.1 4354,2409.74 4354.26,2410 R8.1
NetLED4_1: LED4.1 R9.1 | length 180.1
  Top Layer w10: LED4.1 4354,2309.74 4354.26,2310 R9.1
NetQ1_1: Q1.1 R1.1
NetQ2_1: Q2.1 R2.1
NetQ3_1: Q3.1 R13.2 R14.2 | length 339.1
  Top Layer w20: Q3.1 4257.6,2837.4 4240,2855 4240,3005 4256.5,3021.5 R14.2 R13.2
NetQ4_1: Q4.1 R16.2 R17.2 | length 322.7
  Top Layer w20: Q4.1 4677.6,2837.4 4660,2855 4660,3005 4671.5,3016.5 R17.2 R16.2
NetQ5_1: Q5.1 R19.2 R20.2
NetR6_1: R6.1 SW1.1 | length 32.5
  Top Layer w10: v1(4596,2510) R6.1
NetR7_1: R7.1 USB1.A5 | length 115.6
  Top Layer w10: USB1.A5 6249.64,2812.36 v1(6304,2758)
NetR11_1: R11.1 SW2.1 | length 32.5
  Top Layer w10: v1(4596,2310) R11.1
NetR12_2: R12.2 U3.1 | length 224.3
  Top Layer w20: U3.1 4170,3185 4190,3165 R12.2
NetR13_1: R13.1 U3.3 | length 272.1
  Top Layer w20: U3.3 4415,3135 4425,3125 4425,2970 4403.5,2948.5 R13.1
NetR15_2: R15.2 U5.1 | length 246.3
  Top Layer w30: U5.1 4585,3185 4610,3160 R15.2
NetR16_1: R16.1 U5.3 | length 272.1
  Top Layer w20: U5.3 4815,3135 4830,3120 4830,2960 4813.5,2943.5 R16.1
NetR18_2: R18.2 U7.1
NetR19_1: R19.1 U7.3
PD.3V3: C2.2 C3.2 C4.2 C5.2 C7.1 C9.2 C23.1 E1.1 E7.1 IC1.4 IC1.16 IC2.16 JP1.1 R3.2 R4.1 R10.1 R21.2 U1.2 U2.1 U2.5 U4.1 U4.5 U6.1 U6.5 V1.2 | length 1335.6
  Top Layer w10: C23.1@2590,3150 C23.1@2590,3170 ; C3.2 4066,3014 4060,3008 v1(4060,2925) 4060,2775 4070.59,2764.41 U2.5 U2.1 ; C4.2 4489,3014 4485,3010 v1(4485,2925) 4485,2770 4490,2765 4518.7,2765 U4.5 ; U4.1 U4.5 ; R10.1 4630,2443 4664,2477 4664,2574.5 R4.1 R3.2 4511.5,2756.62 U4.5
PD.5V: C22.1 E4.1 E6.1 JP3.1 JP4.1 JP5.1 JP6.2 U10.6 U11.6 USB1.A4 USB1.B9 V1.3 | length 382
  Top Layer w10: U10.6@1770,2845 1800,2815 ; E4.1@1899,2815 E4.1@1932.52,2815 ; C22.1@2400,3170 C22.1 ; USB1.B9@6204.34,2770 6185.95,2770 6182.96,2772.99 USB1.B9 USB1.A4
  Top Layer w20: v3(6075,2725) 6120,2770 USB1.B9@6185.95,2770
  Top Layer w50: 1800,2815 E4.1 E4.1@1899,2815
PD.12V: C14.2 C16.2 C17.1 C19.2 E2.1 E3.1 E5.1 JK1.2 JK1.3 JK2.2 JK2.3 JK3.2 JK3.3 L1.A2 U3.4 U5.4 U7.4 U8.4 U9.4 U10.1 U11.1 VD1.2 VD2.2 VD3.2 | length 2180.6
  Top Layer w10: C14.2 C14.2@2750,3526 ; C16.2 3339,3506 C16.2@3339,3515
  Top Layer w20: C14.2@2750,3526 2756,3520 U8.4@2830,3520 ; C16.2@3339,3515 v1(3426.57,3515)
  Top Layer w30: L1.A2@1604.02,3590.94 v3(1605,3589.96) ; v3(2180,3730) 2197.5,3730 C17.1 v1(2392.5,3727.5) ; U8.4@2836.57,3520 v1(2890,3520) v1(2930,3520) 2935,3535 v1(2935,3567.5) v1(2935,3600) v1(2935,3700) v1(2935,3725) ; 3127.48,3250 E2.1 3225,3250 3250,3275 v4(3250,3285) v4(3250,3325) ; v1(3250,3725) v4(3250,3325) ; v1@3525,3712.63 v1(3525,3725) ; 3714.96,3250 3714.96,3305.04 3695,3325 v4(3250,3325) ; v1(4732.52,3210) 4757.52,3185 U5.4
  Top Layer w50: v1(3426.57,3515) v1(3480,3515) 3525,3515
  Top Layer w60: 3525,3515 v1(3525,3525) v1(3525,3555) v1(3525,3660) v1(3525,3685) v1(3525,3705) v1@3525,3712.63
  other v1: 4345,3200 4732.52,3322.52 4337.52,3326.97
  other v3: 1890,3250
  other v4: 3250,3250
PD.GND: C1.1 C2.1 C3.1 C4.1 C5.1 C7.2 C8.1 C9.1 C11.1 C12.1 C14.1 C16.1 C19.1 C20.2 C21.1 C22.2 C23.2 E1.2 E2.2 E3.2 E4.2 E5.2 E6.2 E7.2 IC1.1 IC2.15 JP1.3 JP2.1 JP3.3 JP4.3 JP5.3 JP6.1 L1.B2 LED1.2 LED2.2 LED3.2 LED4.2 P1.4 P1.7 P1.8 Q3.2 Q4.2 Q5.2 R7.2 R14.1 R17.1 R20.1 R22.2 R24.1 SW1.2 SW2.2 U1.1 U1.15 U1.38 U1.39 U2.3 U3.2 U4.3 U5.2 U6.3 U7.2 U8.3 U9.3 U10.2 U10.4 U11.2 U11.4 USB1.A1 USB1.A12 USB1.B1 USB1.B12 V1.1 | length 1519.9
  Top Layer w10: R24.1@2260,4000 2270,4000 v2(2270,3990) ; C22.2@2410,3335 2410,3325 C22.2 ; C14.1 v2(2750,3610) ; E3.2@3377,3250 E3.2 v1(3435,3250) ; v1(4105,2960) C3.1 4131,2945 4131,3081 4105,3107 4105,3135 U3.2 v1(4145,3135) ; 4163.59,2815.59 4173,2825 v1(4190,2825) 4190,2823.07 4186.93,2820 U2.3 ; LED4.2 LED4.2@4187,2309.74 ; LED3.2 LED3.2@4187,2409.74 ; LED2.2 4175,2509.74 LED3.2@4175,2416 ; LED1.2 4174,2609.74 4174,2417 LED3.2@4175,2416 ; Q3.2@4263,2762.6 Q3.2 v1(4290,2762.6) ; R14.1@4285,2944 R14.1 v1(4285,2975) ; U4.3@4600,2815.59 4604.41,2820 v2(4605,2820) ; Q4.2 v2(4700,2762.6) Q4.2@4700,2763 ; USB1.A1@6195.32,2730 USB1.A1@6198.51,2730 ; USB1.A1 6210,2730.63 6209.37,2730 USB1.A1@6198.51,2730 ; USB1.B12 6210,2741.49 USB1.A1@6198.51,2730 ; USB1.B1 6210,2981.65 6201.65,2990 6207.48,2990 USB1.A12 ; LED3.2@4175,2416 4181,2410 LED3.2@4181,2409.74 ; LED3.2@4175,2416 4175,2409.74 LED3.2@4181,2409.74 ; LED3.2@4181,2409.74 LED3.2@4187,2409.74 ; LED3.2@4181,2409.74 4181,2309.74 LED4.2@4187,2309.74 ; LED4.2@4187,2309.74 LED3.2@4187,2409.74
  Top Layer w20: C14.1 2775,3565 v4(2785,3565) U8.3 v4(2895,3565) ; v2(6140,2730) 6140.32,2729.68 USB1.A1@6195,2729.68
  Top Layer w30: C16.1 3335,3565 v2(3355,3565) v2(3380.79,3565) U9.3 ; v2(6145,2990) USB1.A12@6201.65,2990
  other v2: 4190,2310 4190,2410 4190,2510 4190,2610 2247.48,2815 4520,2960 4705,2965 4520,3135 3370,3250 3325,3600 2445,3990
PI.12V: D1.1 P2.3 | length 37.3
  Top Layer w10: D1.1 2000,3912.28 2000,3905 v3(2005,3905)
PI.CHS: C17.2 C20.1 C21.2 P2.1 R24.2 ZH4.H | length 3508.6
  Top Layer w10: ZH4.H@1518.17,4482.76 1505.51,4495.41 1505.51,4530 1518.17,4542.66 ZH4.H@1518.17,4577.24 ; ZH4.H@1600,4435.51 ZH4.H@1600,4530 ; ZH4.H@1681.83,4482.76 1694.49,4495.41 1694.49,4510 1694.49,4530 1681.83,4542.66 ZH4.H@1681.83,4577.24 ; C21.2@2425,4177.5 2435,4177.5 2435,4152.5 C21.2
  Top Layer w50: ZH4.H@1600,4530 1620,4510 1694.49,4510 2100,4510 ; P2.1 2055,4397.2 2055,4465 2100,4510 ; C17.2 2200,3495 2230,3465 2490,3465 2550,3525 2550,3552.5 C20.1 2647.5,3572.5 2680,3605 2680,4140 2660,4160 2457.5,4160 C21.2 2447.5,4150 R24.2@2260,4150 ; C21.2@2425,4177.5 2425,4475 2390,4510 2100,4510
  VCC w10: ZH4.H@1536,4577.24 ZH4.H@1552.76,4594 ; ZH4.H@1565.41,4435.51 ZH4.H@1600,4435.51 ; ZH4.H@1565.41,4624.49 ZH4.H@1600,4624.49 ; ZH4.H@1612.66,4448.17 1647.24,4448.17 1647.24,4466 1664,4482.76 ZH4.H@1681.83,4482.76 ; ZH4.H@1612.66,4611.83 ZH4.H@1647.24,4611.83 ; ZH4.H@1647.24,4594 1664,4577.24 ZH4.H@1681.83,4577.24
PI.GND: C18.1 DT1.1 L1.B1 P2.2 | length 771.6
  Top Layer w10: L1.B1@1845.04,3720 L1.B1@1855.98,3709.06
  Top Layer w50: DT1.1@1640,3881.14 DT1.1 ; L1.B1@1855.98,3709.06 1996.56,3709.06 C18.1 v3(2015,3780) 2084,3849 2481,3849
PWM0.A: U1.31 U8.1 | length 48.4
  Top Layer w10: U8.1 v1(2880,3665)
PWM0.B: U1.30 U8.2 | length 40
  Top Layer w10: U8.2@2835,3615 v1(2875,3615)
PWM1.A: U1.8 U9.1 | length 42.6
  Top Layer w10: v1(3384,3665) U9.1
PWM1.B: U1.9 U9.2 | length 23.4
  Top Layer w10: U9.2 v1(3450,3615)
RTS: IC1.14 Q1.2 R2.2
TEM1: JP1.2 R21.1 U1.37
U0RX: IC1.2 U1.34
U0TX: IC1.3 U1.35
U1RX: IC2.9 U1.33
U1RX.O: IC2.8 JP2.2 P1.3
  other v1: 2724,3667
U1TX: IC2.10 U1.29
U1TX.O: IC2.7 JP2.3 P1.1 | length 758.8
  Top Layer w10: 2970,3355 3205,3355 3218,3368 3218,3792 3248,3822 3287,3822
U2RX: JP6.3 U1.27
U2TX: JP6.4 U1.28
WS2812: JP4.2 U1.10
WS2812_2: JP5.2 U1.36
pads on no net: IC1.7 IC1.8 IC1.9 IC1.10 IC1.11 IC1.12 IC1.15 IC2.11 IC2.12 IC2.13 IC2.14 U1.4 U1.5 U1.6 U1.13 U1.17 U1.18 U1.19 U1.20 U1.21 U1.22 U1.23 U1.32 USB1. USB1.0 USB1.A8 USB1.A9 USB1.B4 USB1.B5 USB1.B8 ZH1. ZH2. ZH3.

## Polygon pours and split planes (outlines as drawn)
PD.GND on GND (split plane): 6489.9,2240.1 1445.1,2240.1 1445.1,4684.9 6489.9,4684.9

## Silkscreen, mask and mechanical layers (free items; w line width, h text height)
Top Overlay:
  text "CHS" at 2008,4290 h35
  text "GND" at 2143,4290 h35
  text "12V" at 2283,4290 h35
  text "F0" at 3785,2025 h35
  text "B0" at 3914,2025 h35
  text "GND" at 4043,2025 h35
  text "GND" at 4172,2025 h35
  text "RX" at 4301,2025 h35
  text "TX" at 4430,2025 h35
  text "F1" at 3785,1945 h35
  text "B1" at 3914,1945 h35
  text "GND" at 4043,1945 h35
  text "DO1" at 4172,1945 h35
  text "GND" at 4301,1945 h35
  text "DO0" at 4430,1945 h35
  text "TEM" at 3496,1875 h35
  text "HUM" at 3691,1875 h35
  text "LEV" at 3886,1875 h35
  text "RGB" at 4081,1875 h35
  text "GND" at 3611,1780 h35
  text "SIGN" at 3786,1780 h35
  text "VCC" at 3961,1780 h35
Mechanical 1:
  the board outline again, w10

## Dimensions
1425,4705 to 1425,2220 on Top Overlay
1587.24,4543.17 to 1585,2380 on Top Overlay
1425,4705 to 6510,4705 on Top Overlay
1587.24,4543.17 to 6350,4545 on Top Overlay